# Altium PCB STM32F767IGT6.PcbDoc (part 2 of 2) (continued)
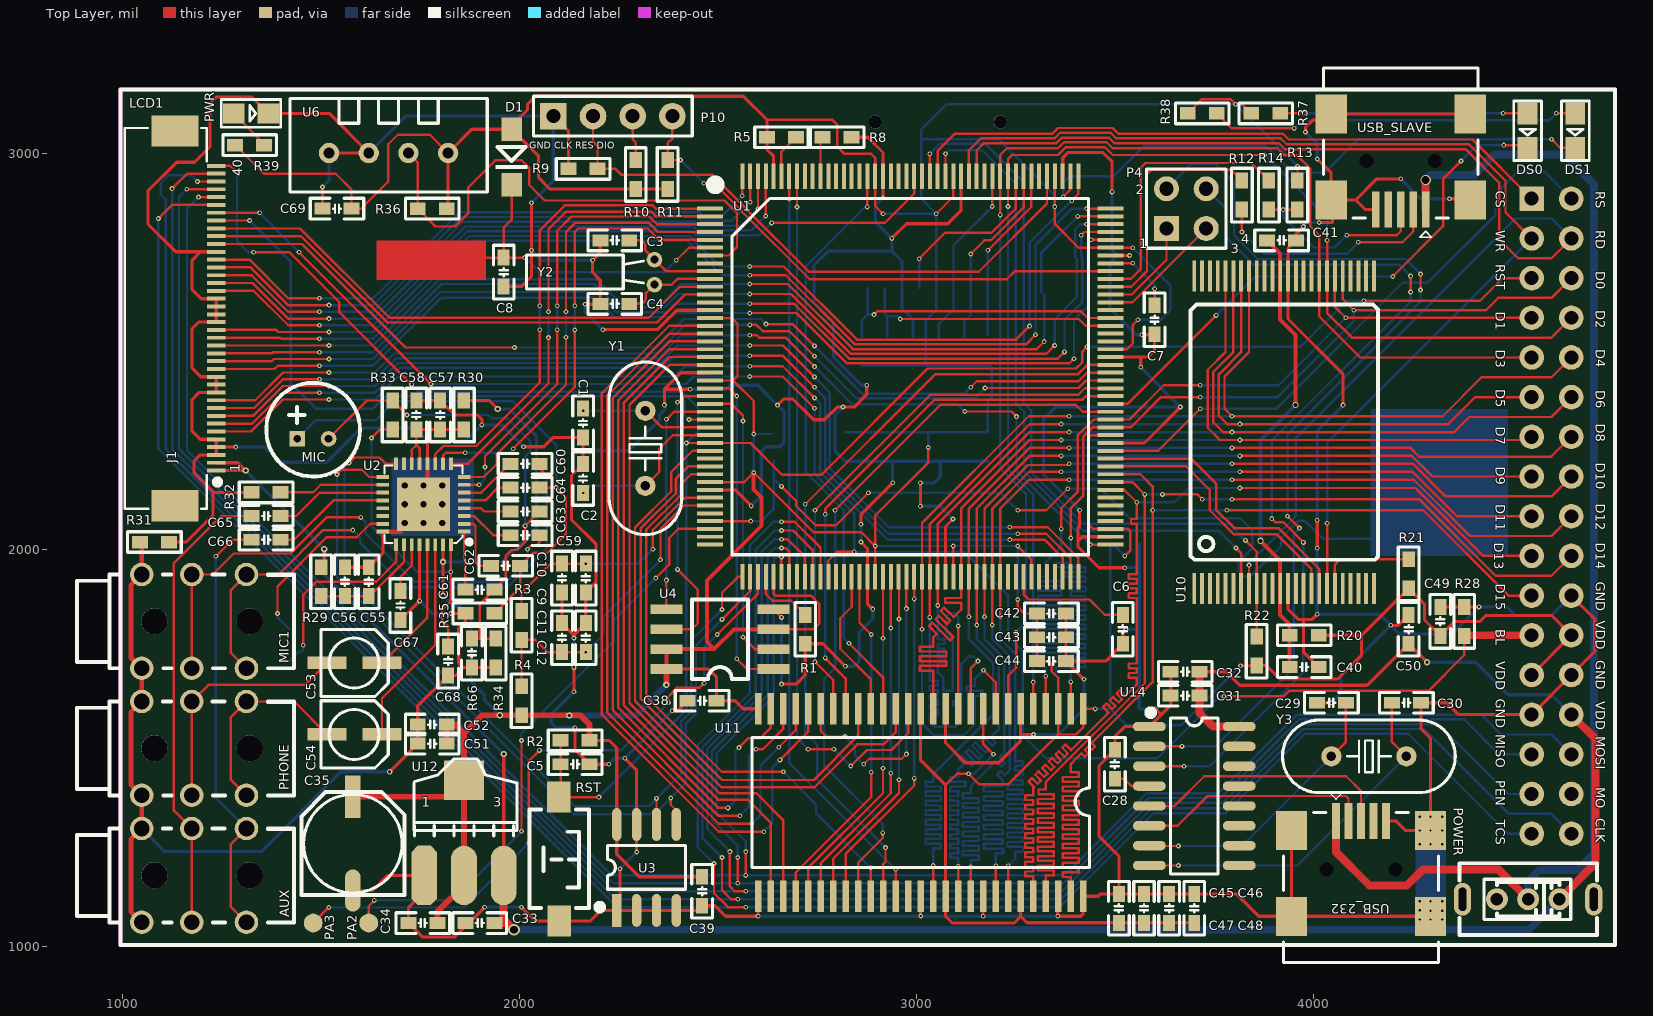
[diagram p0: Top Layer view]
## Nets (pads, with @x,y where several pads share a name; then routed paths per layer and width w, separated by ;. In a path a pad name is that pad's centre, name@x,y a point inside that pad or via, vN(x,y) a via of type N, cw(c..) or ccw(c..) an arc to the next point about the centre after c; other vN are vias at no path point) (continued)
  Bottom Layer w6: v1(2013.5,2736.5) 2050,2700 2365,2700 v1(2395,2730)
NetC9_2: C9.2 C10.2 R3.2 U1.38 | length 648.3
  Top Layer w6: R3.2@2005,1846.5 2005,1891.53 2013.5,1900.03 2013.5,1900.5 2078.5,1965.5 C10.2@2107,1965.5 v1(2167,1965.5) ; v1(2336,2002) 2336,2050.76 2416.9,2131.65 U1.38@2480,2131.65
  Bottom Layer w6: v1(2167,1965.5) 2299.5,1965.5 v1(2336,2002)
NetC11_2: C11.2 C12.2 R3.1 R4.1 U1.39 | length 829.5
  Top Layer w6: R4.1@2005,1656.5 R3.1@2005,1773.5 2039.5,1773.5 2070.5,1742.5 C11.2@2107,1742.5 v1(2167,1742.5) ; v1(2355,1975) 2355,2052.79 2414.18,2111.97 U1.39@2480,2111.97
  Bottom Layer w6: v1(2167,1742.5) 2211,1786.5 2211,1831 v1(2355,1975)
NetC28_2: C28.2 U14.4 | length 94.5
  Top Layer w6: C28.2@3500,1423.5 3523.5,1423.5 3542,1405 U14.4@3586.81,1405
NetC29_2: C29.2 U14.7 Y3.1 | length 702.8
  Top Layer w6: U14.7@3586.81,1255 3587.81,1254 v1(3660,1254) ; Y3.1@4045.51,1480 4082.01,1516.5 C29.2@4082.01,1615
  Bottom Layer w6: v1(3660,1254) 3819.51,1254 Y3.1@4045.51,1480
NetC30_1: C30.1 U14.8 Y3.2 | length 911.7
  Top Layer w6: U14.8@3586.81,1205 v1(3660,1205) ; C30.1@4197.99,1615 4197.99,1516.5 Y3.2@4234.49,1480
  Bottom Layer w6: v1(3660,1205) 3959.49,1205 Y3.2@4234.49,1480
NetC40_2: C40.2 C41.2 R20.1 U10.12 U10.37 | length 1171.5
  Top Layer w10: v4(3867,2023) 3916.53,1973.47 U10.12@3916.53,1903.07 3916.53,1836.47 3940.5,1812.5 R20.1@3940.5,1785 C40.2@3940.5,1705 ; C41.2@3883.5,2780 3916.53,2746.97 U10.37@3916.53,2690.47 3916.53,2580.25 3955,2541.79 v4(3955,2365)
  Bottom Layer w10: v4(3867,2023) 3867,2277 v4(3955,2365)
NetC53_1: C53.1 U2.29 | length 344.6
  Top Layer w6: C53.1@1653.54,1715.35 1767.84,1829.65 U2.29@1767.84,2012.59
NetC53_2: C53.2 PHONE.2 | length 617.4
  Top Layer w6: PHONE.2@1174.09,1381.89 PHONE.2@1174.09,1618.11 1215.98,1660 1459.65,1660 C53.2@1515,1715.35
NetC54_1: C54.1 U2.30 | length 532.7
  Top Layer w6: C54.1@1653.54,1535.35 1653.54,1626.54 1787.53,1760.53 U2.30@1787.53,2012.59
NetC54_2: C54.2 PHONE.1 | length 506.7
  Top Layer w6: PHONE.1@1311.89,1381.89 1272,1421.78 1272,1578.22 PHONE.1@1311.89,1618.11 1432.24,1618.11 C54.2@1515,1535.35
NetC55_2: C55.2 C56.2 R29.1 U2.26 | length 288.9
  Top Layer w6: R29.1@1500,1883.5 C56.2@1560,1883.5 C55.2@1620,1883.5 ; C55.2@1625.25,1878.25 1625.25,1886.25 1708.79,1969.79 U2.26@1708.79,2012.59
NetC57_2: C57.2 C58.2 R30.2 U2.13 U2.14 | length 260.8
  Top Layer w6: U2.14@1728.47,2217.41 1728.47,2252.47 1740,2264 ; C58.2@1740,2303.5 1740,2264 ; U2.13@1748.16,2217.41 1748.16,2255.84 1740,2264
  Top Layer w8: C58.2@1740,2303.5 C57.2@1800,2303.5 R30.2@1860,2303.5
NetC59_1: C59.1 U2.3 | length 137.2
  Top Layer w6: U2.3@1860.41,2085.47 1885.53,2085.47 1934,2037 C59.1@1977.5,2037
NetC59_2: C59.2 MIC1.2 | length 1331.5
  Top Layer w6: MIC1.2@1174.09,1701.89 MIC1.2@1174.09,1938.11 1227.11,1938.11 1280,1991 1423,1991 1514,2082 v1(1600,2082) ; v1(2020,2002) 2030,2012 2043,2012 2050.5,2019.5 C59.2@2050.5,2037
  Bottom Layer w6: v1(1600,2082) 1612,2070 1612,2042 1734,1920 1967.03,1920 2020,1972.97 v1(2020,2002)
NetC60_1: C60.1 U2.6 | length 145.6
  Top Layer w6: U2.6@1860.41,2144.53 1903.53,2144.53 C60.1@1976,2217
NetC60_2: C60.2 MIC1.1 | length 1389.2
  Top Layer w6: MIC1.1@1311.89,1701.89 1272,1741.78 1272,1898.22 MIC1.1@1311.89,1938.11 1393.11,1938.11 1505,2050 v1(1580,2050) ; C60.2@2050.5,2205.5 v1(2069,2187)
  Bottom Layer w6: v1(1580,2050) 1598,2032 1598,2019 1711,1906 1970,1906 2069,2005 v1(2069,2187)
NetC61_1: C61.1 U2.1 | length 147.4
  Top Layer w6: U2.1@1860.41,2046.1 1860.41,1974.59 1863.5,1971.5 C61.1@1863.5,1900
NetC61_2: C61.2 C63.2 MIC.2 R33.2 R34.2 R66.2 | length 1260.6
  Top Layer w6: MIC.2@1518.74,2280 1615.24,2376.5 R33.2@1680,2376.5 v1(1716.5,2340) ; R66.2@1880,1776.5 1900,1776.5 ; R34.2@1940,1776.5 1900,1776.5 ; C63.2@2050.5,2097 v1(2014,2060.5) 2014,2020 1994,2000 1980,2000 1965,1985 1965,1928.5 C61.2@1936.5,1900 1900,1863.5 1900,1776.5
  Bottom Layer w6: v1(1716.5,2340) 1921,2340 1929,2332 1969,2332 2027,2274 2027,2248 2014,2235 v1(2014,2060.5)
NetC62_1: C62.1 U2.2 | length 165.2
  Top Layer w6: U2.2@1860.41,2065.79 1883.21,2065.79 1889,2060 1889,1969 1898,1960 C62.1@1928.5,1960
NetC62_2: C62.2 C64.2 MIC.1 R35.2 | length 1309.3
  Top Layer w6: R35.2@1936.5,1840 2001.5,1905 C62.2@2001.5,1960 2034.5,1993 2070,1993 2117,2040 2117,2132 v1(2092,2157) C64.2@2050.5,2157
  Bottom Layer w6: MIC.1@1440,2280 1487,2327 1638,2327 1686,2375 1982,2375 2092,2265 v1(2092,2157)
NetC63_1: C63.1 U2.4 | length 120.5
  Top Layer w6: U2.4@1860.41,2105.16 1902.84,2105.16 1911,2097 C63.1@1977.5,2097
NetC64_1: C64.1 U2.5 | length 130.4
  Top Layer w6: U2.5@1860.41,2124.84 1913.84,2124.84 1946,2157 C64.1@1977.5,2157
NetC65_1: C65.1 U2.19 | length 282.1
  Top Layer w6: C65.1@1397.93,2085.57 1437.57,2085.57 1496.53,2144.53 U2.19@1655.59,2144.53
NetC66_1: C66.1 U2.20 | length 298.8
  Top Layer w6: C66.1@1397.93,2025.57 1431.57,2025.57 1530.84,2124.84 U2.20@1655.59,2124.84
NetC67_2: C67.2 U2.27 | length 127.9
  Top Layer w6: C67.2@1700,1896.5 1700,1932 1728.47,1960.47 U2.27@1728.47,2012.59
NetC68_2: C68.2 R33.1 U2.32 | length 802.8
  Top Layer w6: v1(1627,2282) 1648.5,2303.5 R33.1@1680,2303.5 ; C68.2@1820,1756.5 1820,1809 1805,1824 1805,1849 1826.9,1870.9 v1(1826.9,1945) U2.32@1826.9,2012.59
  Bottom Layer w6: v1(1627,2282) 1627,2060 1742,1945 v1(1826.9,1945)
NetDS0_1: DS0.1 R37.1 | length 623.4
  Top Layer w6: R37.1@3916.5,3100 v1(3975.97,3099.97) ; v1(4478.03,3099.97) DS0.1@4539.94,3099.97
  Bottom Layer w6: v1(3975.97,3099.97) v1(4478.03,3099.97)
NetDS1_1: DS1.1 R38.1 | length 934.9
  Top Layer w6: R38.1@3756.5,3100 3794.5,3062 v1(3952,3062) ; v1(4612,3099.97) DS1.1@4659.94,3099.97
  Bottom Layer w6: v1(3952,3062) 3973,3083 4595.03,3083 v1(4612,3099.97)
NetPWR_1: PWR.1 R39.1 | length 108.1
  Top Layer w6: PWR.1@1280.03,3099.94 R39.1@1356.5,3023.47
NetR1_1: R1.1 U1.48 | length 164.8
  Top Layer w6: U1.48@2620.37,1932.22 2620.37,1888.63 2637,1872 2684.5,1872 R1.1@2720,1836.5
NetR5_1: R5.1 U1.171 | length 113.9
  Top Layer w6: U1.171@2659.74,2941.32 2659.74,3003.24 R5.1@2696.5,3040
NetR12_1: R12.1 USB_SLAVE.2 | length 589.3
  Top Layer w6: v1(3820,2801) R12.1@3820,2857.5 ; v1(4113,2775) 4224,2775 4251.49,2802.49 USB_SLAVE.2@4251.49,2857.64
  Bottom Layer w6: v1(3820,2801) 3875,2746 4084,2746 v1(4113,2775)
NetR13_1: R13.1 R14.1 USB_SLAVE.3 | length 490
  Top Layer w6: R14.1@3888,2857.5 v1(3924,2857.5) R13.1@3960,2857.5 ; v1(4084,2793) 4210,2793 4220,2803 USB_SLAVE.3@4220,2857.64
  Bottom Layer w6: v1(3924,2857.5) 3924,2839 4001,2762 4053,2762 v1(4084,2793)
NetR21_1: R21.1 U10.19 | length 251.4
  Top Layer w6: U10.19@4054.33,1903.07 4054.33,1963.33 4067.5,1976.5 R21.1@4240,1976.5
NetR32_2: R32.2 U2.18 | length 265.6
  Top Layer w6: R32.2@1397.93,2145 1480.03,2145 1499.24,2164.21 U2.18@1655.59,2164.21
NetSPK+_1: SPK+.1 U2.25 | length 496.6
  Top Layer w6: v1(1455,1760) 1455,1886.98 1488.02,1920 1639,1920 1689.1,1970.1 U2.25@1689.1,2012.59
  Bottom Layer w6: SPK+.1@1420,1720 1444,1744 1451,1744 1455,1748 v1(1455,1760)
NetSPK-_1: SPK-.1 U2.23 | length 451.4
  Top Layer w6: v1(1390,1840) 1390,1908.04 1513.96,2032 1590,2032 1623.79,2065.79 U2.23@1655.59,2065.79
  Bottom Layer w6: v1(1390,1840) 1390,1830 SPK-.1@1420,1800
NetU14_5: U14.5 USB_232.3 | length 655.2
  Top Layer w6: U14.5@3586.81,1355 3650,1355 3725,1430 4083,1430 4120,1393 USB_232.3@4120,1317.36
NetU14_6: U14.6 USB_232.2 | length 591.6
  Top Layer w6: U14.6@3586.81,1305 3658,1305 3733,1380 4082,1380 4088.51,1373.49 USB_232.2@4088.51,1317.36
PA0: U1.40
PA1: R40.1 U1.41 | length 2225.2
  Top Layer w6: U1.41@2480,2072.6 v1(2582.4,2072.6) ; v1(2660,2160) 2697,2123 2697,2111 2746,2062 2797,2062 v1(2879,2144) ; v1(3255,2100) 3327,2100 v1(3381,2154)
  Bottom Layer w6: v1(2582.4,2072.6) 2609.6,2072.6 2640,2103 2640,2180 ; R40.1@2640,2223.5 2640,2180 ; v1(2660,2160) 2640,2180 ; v1(2879,2144) 3211,2144 v1(3255,2100) ; v1(3381,2154) 3464,2154 3538,2080 3816,2080 3846,2050 3846,2005 3812,1971 3812,1947 3826,1933 3842,1933 3919,2010 3919,2030.82 3962.18,2074 3978,2074 4024,2028 4152,2028
PA2: PA2.1 U1.42 | length 1511.5
  Top Layer w6: PA2.1@1620,1060 1620,1103 v1(1634,1117) ; v1(2005,1291) v1(2005,1520) ; v1(2343,1929) 2377,1963 2377,2030 2399.91,2052.91 U1.42@2480,2052.91
  Bottom Layer w6: v1(1634,1117) 1831,1117 v1(2005,1291) ; v1(2005,1520) 2005,1538 2237,1770 2237,1823 v1(2343,1929)
PA3: PA3.1 U1.47 | length 1689.7
  Top Layer w6: PA3.1@1480,1060 v1(1519,1099) ; v1(2023,1262) 2023,1468 v1(2050,1495) ; v1(2375,1615) 2375,1631 2397,1653 2454,1653 v1(2465,1664) ; v1(2498,1787) 2600.69,1889.69 U1.47@2600.69,1932.22
  Bottom Layer w6: v1(1519,1099) 1860,1099 v1(2023,1262) ; v1(2050,1495) 2255,1495 v1(2375,1615) ; v1(2465,1664) 2465,1754 v1(2498,1787)
PA4: J1.36 LCD1.30 U1.50 | length 5793.6
  Top Layer w6: v1(1190.98,2888.98) J1.36@1236,2888.98 ; v1(2570,1180) v1(2570,1240) ; U1.50@2659.74,1932.22 v1(2659.74,1982.26)
  Bottom Layer w6: v1(1190.98,2888.98) 1162,2860 1162,2251 2233,1180 v1(2570,1180) 3373,1180 3580,1387 3761,1387 3959,1585 4423,1585 4473,1535 4600,1535 LCD1.30@4650,1485 ; v1(2570,1240) 2570,1266 2497,1339 2497,1488.12 2640,1631.12 2640,1976 2646.26,1982.26 v1(2659.74,1982.26)
PA5: J1.37 LCD1.29 U1.51 | length 5846.8
  Top Layer w6: v1(1161.66,2908.66) J1.37@1236,2908.66 ; v1(2550,1160) v1(2550,1225) ; v1(2660,2005) 2670,2005 2679.43,1995.57 U1.51@2679.43,1932.22
  Bottom Layer w6: v1(1161.66,2908.66) 1142,2889 1142,2254.03 2236.03,1160 v1(2550,1160) 3369.97,1160 3584.97,1375 3765.97,1375 3963.97,1573 4380,1573 4468,1485 LCD1.29@4550,1485 ; v1(2550,1225) 2550,1254 2485,1319 2485,1493.09 2625,1633.09 2625,1987 2643,2005 v1(2660,2005)
PA6: U1.52
PA7: J1.39 LCD1.31 U1.53 | length 6076.9
  Top Layer w6: v1(1124.5,2910.5) 1162.03,2948.03 J1.39@1236,2948.03 ; v1(2530,1240) 2530,1152 2542,1140 v1(2570,1140) ; v1(2660,2027) 2675,2027 2718.8,1983.2 U1.53@2718.8,1932.22
  Bottom Layer w6: v1(1124.5,2910.5) 1124.5,2254.56 2239.06,1140 v1(2570,1140) 3366.94,1140 3589.94,1363 3770.94,1363 3968.94,1561 4315,1561 4491,1385 LCD1.31@4550,1385 ; v1(2530,1240) 2473,1297 2473,1498.06 2610,1635.06 2610,1995 2642,2027 v1(2660,2027)
PA8: U1.119
PA9: P4.3 U1.120 | length 318
  Top Layer w6: U1.120@3489.09,2623.78 3543.78,2623.78 P4.3@3730,2810
PA10: P4.1 U1.121 | length 256.2
  Top Layer w6: U1.121@3489.09,2643.46 3542.46,2643.46 3630,2731 P4.1@3630,2810
PA11: R12.2 U1.122 | length 607.4
  Top Layer w6: U1.122@3489.09,2663.15 3541.15,2663.15 3581,2703 3581,2947 3592,2958 3792.5,2958 R12.2@3820,2930.5
PA12: R14.2 U1.123 | length 687.7
  Top Layer w6: U1.123@3489.09,2682.83 3539.83,2682.83 3565,2708 3565,2963 3569,2967 3577,2975 3843.5,2975 R14.2@3888,2930.5
PA15: U1.138
PB1: U1.57
PB2: U1.58
PB3: U1.161
PB4: U1.162
PB6: U1.164
PB7: U1.165
PB10: U1.79
PB11: U1.80
PB12: U1.92
PB13: U1.93
PB14: U1.94
PB15: U1.95
PC1: U1.33
PC4: J1.38 LCD1.34 U1.54 | length 6362.9
  Top Layer w6: v1(1188.35,2928.35) J1.38@1236,2928.35 ; v1(2510,1225) 2510,1143 2533,1120 v1(2550,1120) ; v1(2660,2049) 2689,2049 2738.48,1999.52 U1.54@2738.48,1932.22
  Bottom Layer w6: v1(1188.35,2928.35) 1172.69,2944 1116,2944 1096,2924 1096,2895 1109,2882 1109,2253.09 2242.09,1120 v1(2550,1120) 3363.91,1120 3592.91,1349 3773.91,1349 3973.91,1549 4279,1549 4493,1335 4600,1335 LCD1.34@4650,1285 ; v1(2510,1225) 2461,1274 2461,1503.03 2595,1637.03 2595,2001 2643,2049 v1(2660,2049)
PC5: J1.35 LCD1.33 U1.55 | length 6309.3
  Top Layer w6: v1(1090,2835) 1124.29,2869.29 J1.35@1236,2869.29 ; v1(2490,1210) 2490,1135 2525,1100 v1(2570,1100) ; v1(2660,2071) 2693,2071 2758.17,2005.83 U1.55@2758.17,1932.22
  Bottom Layer w6: v1(1090,2835) 1090,2255.12 2245.12,1100 v1(2570,1100) 3360.88,1100 3597.88,1337 3778.88,1337 3978.88,1537 4239,1537 4491,1285 LCD1.33@4550,1285 ; v1(2490,1210) 2449,1251 2449,1508 2580,1639 2580,2011 2640,2071 v1(2660,2071)
PC6: U1.115
PC7: U1.116
PC8: R15.1 TF_CARD.7 U1.117 | length 697.5
  Top Layer w6: v1(2959,2582) 3409,2582 3426.28,2564.72 U1.117@3489.09,2564.72
  Bottom Layer w6: TF_CARD.7@2920.16,2660 2920.16,2594.84 2926.6,2588.4 ; R15.1@2926.6,2537.5 2926.6,2588.4 ; v1(2959,2582) 2952.6,2588.4 2926.6,2588.4
PC9: R19.1 TF_CARD.8 U1.118 | length 750.9
  Top Layer w6: v1(2893,2593) 2901,2601 3415,2601 3431.59,2584.41 U1.118@3489.09,2584.41
  Bottom Layer w6: R19.1@2862,2537.5 2862,2578 2876.85,2592.85 ; TF_CARD.8@2876.85,2660 2876.85,2592.85 ; v1@2892.85,2592.85 2876.85,2592.85
PC10: R18.1 TF_CARD.1 U1.139 | length 444.2
  Top Layer w6: v1(3180,2755) 3289.67,2864.67 U1.139@3289.67,2941.32
  Bottom Layer w6: R18.1@3180,2542.5 TF_CARD.1@3180,2660 v1(3180,2755)
PC11: R17.1 TF_CARD.2 U1.140 | length 475.1
  Top Layer w6: v1(3136.69,2745.69) 3171,2780 3187,2780 3269.98,2862.98 U1.140@3269.98,2941.32
  Bottom Layer w6: R17.1@3120.4,2537.5 3120.4,2576.4 3136.69,2592.69 TF_CARD.2@3136.69,2660 v1(3136.69,2745.69)
PC12: TF_CARD.5 U1.141 | length 450.7
  Top Layer w6: v1(3006.77,2733.77) 3072,2799 3189,2799 3250.3,2860.3 U1.141@3250.3,2941.32
  Bottom Layer w6: TF_CARD.5@3006.77,2660 v1(3006.77,2733.77)
PC13: U1.8
PC14: C3.2 U1.9 Y2.2 | length 244.7
  Top Layer w6: C3.2@2276.5,2780 2307,2780 2317,2770 2317,2754.5 Y2.2@2340,2731.5 2368.98,2702.52 U1.9@2480,2702.52
PC15: C4.2 U1.10 Y2.1 | length 239.2
  Top Layer w6: C4.2@2276.5,2620 2308,2620 2318,2630 2318,2646.5 Y2.1@2340,2668.5 2383.5,2668.5 2397.83,2682.83 U1.10@2480,2682.83
PD2: R16.1 TF_CARD.3 U1.144 | length 459.9
  Top Layer w6: v1(3191.24,2865.24) U1.144@3191.24,2941.32
  Bottom Layer w6: R16.1@3055.8,2537.5 3055.8,2568.8 3093.39,2606.39 TF_CARD.3@3093.39,2660 3093.39,2767.39 v1(3191.24,2865.24)
PE2: U1.1 U2.11 | length 1203.7
  Top Layer w6: U2.11@1787.53,2217.41 1787.53,2241.5 1808.03,2262 1891,2262 2051,2422 v1(2051,2555) ; v1(2051,2615) 2051,2805 2114,2868 2335,2868 2343,2860 U1.1@2480,2860
  Bottom Layer w6: v1(2051,2555) v1(2051,2615)
PE3: U1.2 U2.9 | length 1148.1
  Top Layer w6: U2.9@1826.9,2217.41 1870.41,2217.41 2073,2420 v1(2073,2535) ; v1(2073,2600) 2073,2808 2117,2852 2331.91,2852 2343.6,2840.32 U1.2@2480,2840.32
  Bottom Layer w6: v1(2073,2535) v1(2073,2600)
PE4: U1.3 U2.7 | length 1166.9
  Top Layer w6: U2.7@1860.41,2164.21 v1(1898,2164.21) ; v1(1913.06,2209.06) 1913.06,2236.06 2095,2418 v1(2095,2555) ; v1(2095,2615) 2095,2804 2131,2840 2326.94,2840 2346.31,2820.63 U1.3@2480,2820.63
  Bottom Layer w6: v1(1898,2164.21) 1913.06,2179.27 v1(1913.06,2209.06) ; v1(2095,2555) v1(2095,2615)
PE5: U1.4 U2.8 | length 1134.5
  Top Layer w6: U2.8@1860.41,2183.9 1909.9,2183.9 1943,2217 1943,2242 2117,2416 v1(2117,2536) ; v1(2117,2600) 2117,2801 2140,2824 2325.97,2824 2349.03,2800.94 U1.4@2480,2800.94
  Bottom Layer w6: v1(2117,2536) v1(2117,2600)
PE6: U1.5 U2.10 | length 1171.4
  Top Layer w6: U2.10@1807.21,2217.41 1807.21,2238.21 1814,2245 v1(1863,2245) ; v1(1984,2255) 1984,2255.21 2139,2410.21 v1(2139,2554) ; v1(2139,2615) 2139,2801 2148,2810 2323,2810 2351.74,2781.26 U1.5@2480,2781.26
  Bottom Layer w6: v1(1863,2245) 1974,2245 v1(1984,2255) ; v1(2139,2554) v1(2139,2615)
PG13: U1.156
PG14: U1.157
PH0: C1.1 U1.29 Y1.2 | length 336.8
  Top Layer w6: Y1.2@2317,2350.49 2358.67,2308.82 U1.29@2480,2308.82
  Bottom Layer w6: v1(2160.49,2350.49) Y1.2@2317,2350.49
PH1: C2.1 U1.30 Y1.1 | length 414.1
  Top Layer w6: Y1.1@2317,2161.51 2352,2196.51 2352,2255 2386.13,2289.13 U1.30@2480,2289.13
  Bottom Layer w6: v1(2160.5,2143.5) 2178.51,2161.51 Y1.1@2317,2161.51
PH2: U1.43
PH3: U1.44
PH6: U1.83
PH7: U1.84
PH8: U1.85
PI11: U1.13
VCC3.3: C13.2 C14.2 C15.2 C16.2 C17.2 C18.2 C19.2 C20.2 C21.2 C22.2 C23.2 C24.2 C25.2 C26.2 C27.2 C34.2 C35.1 C36.1 C38.1 C39.1 C42.2 C43.2 C44.2 C45.2 C46.2 C47.2 C48.2 C49.1 C51.1 C52.1 C69.2 D1.1 LCD1.24 LCD1.25 R2.1 R4.2 R5.2 R10.2 R11.2 R13.2 R15.2 R16.2 R17.2 R18.2 R19.2 R20.2 R21.2 R22.1 R30.1 R36.1 R37.2 R38.2 R39.2 R40.2 TF_CARD.4 U1.15 U1.23 U1.36 U1.49 U1.62 U1.72 U1.82 U1.91 U1.103 U1.114 U1.127 U1.136 U1.149 U1.159 U1.172 U2.31 U3.8 U4.3 U4.7 U4.8 U6.1 U11.1 U11.3 U11.9 U11.14 U11.27 U11.43 U11.49 U12.2 U12.4 | length 19271.1
  Top Layer w6: R39.2@1283.5,3020 1355.5,2948 1537,2948 1576.5,2908.5 C69.2@1576.5,2860 1601,2860 1669,2928 1669,3022 1693,3046 1774,3046 U6.1@1820,3000 ; U1.36@2480,2171.02 2566.02,2171.02 v1(2590,2195) 2740,2045 2860.96,2045 v1(2895.96,2010) ; U1.23@2480,2426.93 2537.93,2426.93 ; U1.15@2480,2584.41 2534.59,2584.41 2549,2570 2549,2438 2537.93,2426.93 ; v1(2590,2292) 2590,2374.86 2537.93,2426.93 ; 2623.5,3083.5 2788.5,3083.5 2800,3072 2800,3017 2819,2998 2886,2998 2895.96,2988.04 U1.159@2895.96,2941.32 2895.96,2867.04 v1(2915.92,2847.08) ; U4.3@2640,1800.06 2740.06,1800.06 2755,1815 2755,1864 2734,1885 2645,1885 2640.06,1889.94 U1.49@2640.06,1932.22 ; U1.62@2895.96,1932.22 v1(2895.96,2010) ; v1(3030,2258) 3030,2220 2895.96,2085.96 v1(2895.96,2010) ; v1(3050.08,2847.08) 3092.82,2889.82 U1.149@3092.82,2941.32 ; 3073.54,1407.46 3102.08,1436 v1(3131,1436) 3157,1410 3232,1410 3357.01,1535.01 ; U1.72@3092.82,1932.22 v1(3092.82,2009.82) ; U11.9@3168.03,1600 3168.03,1510.97 v1(3194,1485) ; v1(3255,1875) 3255,1856 3271,1840 C42.2@3303.5,1840 C44.2@3303.5,1720 3332,1720 3341,1711 3341,1694 3357.01,1677.99 U11.3@3357.01,1600 3357.01,1535.01 ; v1(3255,2010) 3289.67,1975.33 U1.82@3289.67,1932.22 ; U1.136@3348.72,2941.32 v1(3348.72,2865) 3348.72,2821.28 3408.43,2761.57 U1.127@3489.09,2761.57 v1(3545,2761.57) ; U11.1@3420,1600 3420,1553 3402.01,1535.01 3357.01,1535.01 ; U11.1@3420.5,1599.5 v1(3450.5,1599.5) ; U1.103@3489.09,2289.13 3441.13,2289.13 3433,2281 3433,2065 3445.09,2052.91 U1.91@3489.09,2052.91 3533.09,2052.91 3539,2047 3539,1999 v1(3525,1985) ; U1.114@3489.09,2505.67 3530.67,2505.67 3545,2520 3545,2567 v1(3558,2580) ; R38.2@3683.5,3100 3719.5,3136 3791,3136 v1(3804,3123) 3820.5,3123 R37.2@3843.5,3100 ; v1(3816.5,1708.5) R22.1@3857,1708.5 ; R13.2@3960,2930.5 v1(3960,2967)
  Top Layer w8: v2(1807.21,1885) v2(1807.21,1970) U2.31@1807.21,2012.59 ; R36.1@1816.5,2860 1820,2863.5 U6.1@1820,3000 1880,3060 D1.1@1980,3060 ; R30.1@1860,2376.5 1923.5,2376.5 v2(1945,2355) ; v2(2125,1583) v2@2125,1583.5 ; R2.1@2176.5,1520 2226,1520 2245,1501 U3.8@2245,1308.27 2245,1233 2301.5,1176.5 C39.1@2460,1176.5 ; U4.8@2370,1700 2476,1700 2496.5,1679.5 C38.1@2496.5,1620 2543,1620 2563,1600 U11.27@2601.1,1600 ; R11.2@2373,2909.5 R10.2@2293,2909.5 2076.5,2909.5 2048,2938 2048,2992 D1.1@1980,3060 ; U1.172@2640.06,2941.32 2640.06,2991.94 2623.5,3008.5 R5.2@2623.5,3040 2623.5,3083.5 2564,3143 2040,3143 2020,3123 2020,3109.07 1980,3069.07 D1.1@1980,3060 ; U11.14@3010.55,1600 3010.55,1470.45 3073.54,1407.46 U11.43@3073.54,1127.56 3073.54,1076.46 3090,1060 3246.04,1060 3262.52,1076.48 ; U11.49@3262.52,1127.56 3262.52,1076.48 ; C48.2@3700,1060.5 C47.2@3636.67,1060.5 C46.2@3573.33,1060.5 C45.2@3510,1060.5 3278.5,1060.5 3262.52,1076.48 ; R22.1@3857,1708.5 3882,1708.5 3915.5,1675 4062,1675 4121.5,1734.5 4121.5,1785 ; R20.2@4013.5,1785 4121.5,1785 ; LCD1.25@4550,1685 LCD1.24@4650,1785 4600,1835 4435,1835 4420,1820 4356.5,1820 C49.1@4320,1783.5 4280,1823.5 4280,1863.5 R21.2@4240,1903.5 4121.5,1785
  Top Layer w10: U4.8@2370,1700 U4.7@2370,1750 2490,1750 ; v1(2590,2195) 2590,2152 2610,2132 2610,2061 2472,1923 2472,1768 2490,1750 ; U4.3@2640,1800.06 2540.06,1800.06 2490,1750
  Top Layer w15: C35.1@1580,1378.11 1818.2,1378.11 U12.4@1860.03,1419.94 ; C34.2@1793,1060 1793,1088 1860.03,1155.03 U12.4@1860.03,1419.94 ; C51.1@1816.5,1512 C52.1@1816.5,1560 1838.06,1560 1860.03,1538.03 ; R2.1@2176.5,1520 2176.5,1559.5 2152.5,1583.5 2125,1583.5 R4.2@2005,1583.5 1905.5,1583.5 1860.03,1538.03 ; v2(2370,1660) U4.8@2370,1700 ; U12.4@1860.03,1419.94 1860.03,1538.03
  Bottom Layer w6: v1(2590,2195) v1(2590,2292) R40.2@2635.5,2292 ; C19.2@2820,2296.5 C18.2@2880,2296.5 C17.2@2940,2296.5 C16.2@3000,2296.5 3030,2296.5 ; R19.2@2862,2464.5 R15.2@2926.6,2464.5 C36.1@2991.2,2464.5 R16.2@3055.8,2464.5 R17.2@3120.4,2464.5 R18.2@3185,2464.5 ; v1(2895.96,2010) v1(3255,2010) v1(3255,1875) ; v1(2915.92,2847.08) v1(3050.08,2847.08) ; 3023,2465.5 3023,2578 3050.08,2605.08 TF_CARD.4@3050.08,2660 v1(3050.08,2847.08) ; v1(3030,2258) 3030,2296.5 ; v1(3131,1436) 3145,1436 v1(3194,1485) ; R18.2@3190,2459.5 3190,2387 3180,2377 C13.2@3180,2296.5 C14.2@3120,2296.5 C15.2@3060,2296.5 3030,2296.5 ; v1(3348.72,2865) 3348.72,2892.28 3206,3035 3012,3035 ; v1(3450.5,1599.5) C27.2@3488.5,1599.5 ; C20.2@3488.5,2015 C21.2@3488.5,1955.64 C22.2@3488.5,1896.29 C23.2@3488.5,1836.93 C24.2@3488.5,1777.57 C25.2@3488.5,1718.21 C26.2@3488.5,1658.86 C27.2@3488.5,1599.5 ; C20.2@3495,2015 v1(3525,1985) ; v1(3545,2761.57) 3640,2666.57 3640,2604 3616,2580 v1(3558,2580) ; v1(3816.5,1708.5) 3666,1558 3530,1558 C27.2@3488.5,1599.5 ; v1(3960,2967) v1(3804,3123) 3076,3123 3012,3059 3012,3035 ; 3012,3035 3012,2885.16 v1(3050.08,2847.08)
  Bottom Layer w8: v2(1807.21,1885) 1834.21,1858 1851,1858 1878,1831 1878,1668 1911,1635 1911,1622.5 v2(1950,1583.5) ; v2(1807.21,1970) 1957,1970 2043,2056 2043,2286 1974,2355 v2(1945,2355)
  Bottom Layer w15: v2(2125,1583) 2293,1583 v2(2370,1660)
VCC5: C31.1 C32.1 C33.2 C50.2 J1.1 J1.2 LCD1.28 POWER.1 R29.2 U12.3 U14.16 | length 6142.9
  Top Layer w8: J1.1@1236,2200 v2(1310,2200) 1290.31,2219.69 J1.2@1236,2219.69 ; R29.2@1508,1964.5 v2(1508,2002) ; U12.3@1960,1179.97 v2(1960,1486) ; C32.1@3713.5,1693 3781,1693 3815,1659 4135.5,1659 C50.2@4240,1763.5 v2(4286.5,1717)
  Top Layer w20: C33.2@1936.5,1060 1969,1060 ; U12.3@1960.03,1179.94 1960.03,1068.97 1969,1060 ; v6(1986,1043) 1969,1060 ; C32.1@3713.5,1693 C31.1@3713.5,1633 3713.5,1588.5 3747,1555 U14.16@3813.19,1555 ; POWER.1@4620,1120 4711,1211 4711,1524 LCD1.28@4650,1585
  Bottom Layer w8: v2(1310,2200) v2(1508,2002) 1508,1938 v2(1960,1486) ; v2(4286.5,1717) 4409,1717 4491,1635 4600,1635 LCD1.28@4650,1585
  Bottom Layer w20: v6(1986,1043) 4543,1043 POWER.1@4620,1120
VUSB: POWER.2 USB_232.1 USB_SLAVE.1 | length 3128.3
  Top Layer w20: USB_232.1@4057.01,1317.36 4057.01,1238.99 4142,1154 4235,1154 4276,1195 4466.26,1195 POWER.2@4541.26,1120 ; USB_SLAVE.1@4282.99,2857.64 v5(4282.99,2931.99)
  Bottom Layer w20: v5(4282.99,2931.99) 4296,2945 4405,2945 4456,2996 4632,2996 4707,2921 4707,1234 4667,1194 4570,1194 4541.26,1165.26 POWER.2@4541.26,1120
pads on no net: AUX.0 J1.A J1.B LCD1.32 MIC1.0 PHONE.0 POWER.3 POWER.4 POWER.5 TF_CARD.0 TF_CARD.9 U2.15 U2.21 U2.22 U10.1 U10.2 U10.3 U10.4 U10.5 U10.6 U10.10 U10.11 U10.14 U10.15 U10.20 U10.21 U10.22 U10.23 U10.24 U10.25 U10.26 U10.27 U10.28 U10.33 U10.34 U10.35 U10.38 U10.39 U10.40 U10.45 U10.46 U10.47 U10.48 U11.40 U14.9 U14.10 U14.11 U14.12 U14.13 U14.14 U14.15 USB_232.4 USB_232.MH1 USB_232.MH2 USB_SLAVE.4 USB_SLAVE.MH1 USB_SLAVE.MH2
copper on no net:
  other v3: 1710.76,2067.76 1758,2067.76 1805.24,2067.76 1710.76,2115 1758,2115 1805.24,2115 1710.76,2162.24 1758,2162.24 1805.24,2162.24

## Keep-outs
Keep-Out Layer:
  lines w10: 995,1005 4760,1005 ; 995,1005 995,3160 ; 995,1005 995,3160 ; 995,1005 4760,1005 ; 995,3160 4760,3160 ; 995,3160 4760,3160 ; 4760,1005 4760,3160 ; 4760,1005 4760,3160

## Other copper
Top Layer:
  rectangle net NetC8_2: 1640,2680 1915,2780
  rectangle net GND: 1640,2040 1705,2051
  rectangle net GND: 1763,2179 1773,2233
  pour cut-out: 1684,1997 1684,2041 1638,2041 1638,2000
  pour cut-out: 1876,2041 1832,2041 1832,1995 1873,1995
  pour cut-out: 1832,2233 1832,2189 1878,2189 1878,2230
  pour cut-out: 1640,2189 1684,2189 1684,2235 1643,2235
Bottom Layer:
  rectangle net PA1: 4144,1985 4490,2355
  rectangle net GND: 4257,1059 4334,1342
  rectangle net GND: 1678,2035 1885,2230

## Silkscreen, mask and mechanical layers (free items; w line width, h text height)
Top Overlay:
  text "GND CLK RES DIO" at 2025,3005 h30
Top Solder:
  text "未名科技 V3.0" at 1643,2738 h48
  text "2019.06.14" at 1699,2686 h48

## Dimensions
995,1005 to 995,3160 on Top Overlay
995,3160 to 4760,3160 on Top Overlay

## Text inside footprints (layer, text, board x,y; h text height)
J1: Top Overlay "1" at 1295,2196 h24 r90; Top Overlay "40" at 1301,2942 h24 r90
LCD1: Top Overlay "BL" at 4460,1800 h24 r270; Top Overlay "MISO" at 4460,1535 h24 r270; Top Overlay "TCS" at 4460,1320 h24 r270; Top Overlay "MO" at 4711.42,1402.72 h24 r270; Top Overlay "MOSI" at 4711.42,1530.67 h24 r270; Top Overlay "CLK" at 4711.42,1323.98 h24 r270; Top Overlay "PEN" at 4460,1420 h24 r270; Top Overlay "D11" at 4460,2115 h24 r270; Top Overlay "GND" at 4460,1625 h24 r270; Top Overlay "GND" at 4711.42,1919.45 h24 r270; Top Overlay "RD" at 4711.42,2805.28 h24 r270; Top Overlay "D0" at 4711.42,2701.93 h24 r270; Top Overlay "D10" at 4711.42,2219.65 h24 r270; Top Overlay "VDD" at 4711.42,1821.02 h24 r270; Top Overlay "GND" at 4711.42,1722.6 h24 r270; Top Overlay "VDD" at 4711.42,1619.25 h24 r270; Top Overlay "VDD" at 4460,1720 h24 r270; Top Overlay "D15" at 4460,1915 h24 r270; Top Overlay "D12" at 4711.42,2116.3 h24 r270; Top Overlay "D13" at 4455.51,2017.87 h24 r270; Top Overlay "D9" at 4460,2210 h24 r270; Top Overlay "D8" at 4711.42,2318.07 h24 r270; Top Overlay "D6" at 4711.42,2401.73 h24 r270; Top Overlay "D5" at 4460,2405 h24 r270; Top Overlay "D4" at 4711.42,2505.08 h24 r270; Top Overlay "D3" at 4460,2505 h24 r270; Top Overlay "D2" at 4711.42,2603.5 h24 r270; Top Overlay "D1" at 4460,2600 h24 r270; Top Overlay "RST" at 4460,2720 h24 r270; Top Overlay "WR" at 4460,2805 h24 r270; Top Overlay "CS" at 4460,2905 h24 r270; Top Overlay "RS" at 4711.42,2903.7 h24 r270; Top Overlay "D7" at 4460,2310 h24 r270; Top Overlay "D14" at 4711.42,2017.87 h24 r270; Bottom Overlay "CLK" at 4485,1325 h24 r90; Bottom Overlay "TCS" at 4410,1325 h24 r90; Bottom Overlay "NC" at 4485,1410 h24 r90; Bottom Overlay "PEN" at 4410,1435 h24 r90; Bottom Overlay "MO" at 4485,1510 h24 r90; Bottom Overlay "MI" at 4410,1505 h24 r90; Bottom Overlay "V5" at 4485,1600 h24 r90; Bottom Overlay "GND" at 4410,1630 h24 r90; Bottom Overlay "GND" at 4485,1710 h24 r90; Bottom Overlay "VDD" at 4410,1735 h24 r90; Bottom Overlay "VDD" at 4485,1815 h24 r90; Bottom Overlay "BL" at 4410,1810 h24 r90; Bottom Overlay "GND" at 4485,1920 h24 r90; Bottom Overlay "D15" at 4410,1920 h24 r90; Bottom Overlay "D14" at 4485,2020 h24 r90; Bottom Overlay "D13" at 4410,2025 h24 r90; Bottom Overlay "D12" at 4485,2125 h24 r90; Bottom Overlay "D11" at 4410,2125 h24 r90; Bottom Overlay "D10" at 4485,2225 h24 r90; Bottom Overlay "D9" at 4410,2215 h24 r90; Bottom Overlay "D8" at 4485,2310 h24 r90; Bottom Overlay "D7" at 4410,2310 h24 r90; Bottom Overlay "D6" at 4485,2405 h24 r90; Bottom Overlay "D5" at 4410,2405 h24 r90; Bottom Overlay "D4" at 4485,2510 h24 r90; Bottom Overlay "D3" at 4410,2510 h24 r90; Bottom Overlay "D2" at 4485,2610 h24 r90; Bottom Overlay "D1" at 4410,2605 h24 r90; Bottom Overlay "RST" at 4410,2725 h24 r90; Bottom Overlay "D0" at 4485,2710 h24 r90; Bottom Overlay "WR" at 4410,2810 h24 r90; Bottom Overlay "RD" at 4485,2810 h24 r90; Bottom Overlay "RS" at 4485,2915 h24 r90; Bottom Overlay "CS" at 4410,2920 h24 r90
P4: Top Overlay "3" at 3792,2748 h24; Top Overlay "4" at 3818,2771 h24; Top Overlay "2" at 3552,2896 h24; Top Overlay "1" at 3561,2760 h24
TF_CARD: Bottom Overlay "1" at 3176,2736 h24 r180; Bottom Overlay "2" at 3133,2735 h24 r180; Bottom Overlay "3" at 3091,2735 h24 r180; Bottom Overlay "4" at 3044,2735 h24 r180; Bottom Overlay "5" at 3002,2734 h24 r180; Bottom Overlay "6" at 2960,2734 h24 r180; Bottom Overlay "7" at 2918,2734 h24 r180; Bottom Overlay "8" at 2874,2733 h24 r180; Bottom Overlay "Cd" at 2821,2711 h24 r270
U12: Top Overlay "3" at 1934.03,1352.94 h24; Top Overlay "1" at 1754.03,1352.94 h24